# Altium PCB PCB_v2.PcbDoc (part 3 of 8)
Units mil, origin at the board's own origin, x right, y up, seen from the top; angles counter-clockwise.
Board outline 17000 x 5250 mil, 4 copper layers (Top Side, Ground Layer, Power Layer, Bottom Side), stack 33.2 mil thick; 671 components, 580 nets, 2819 pads, 990 vias.
Unrouted connection lines stored in the file: 104.
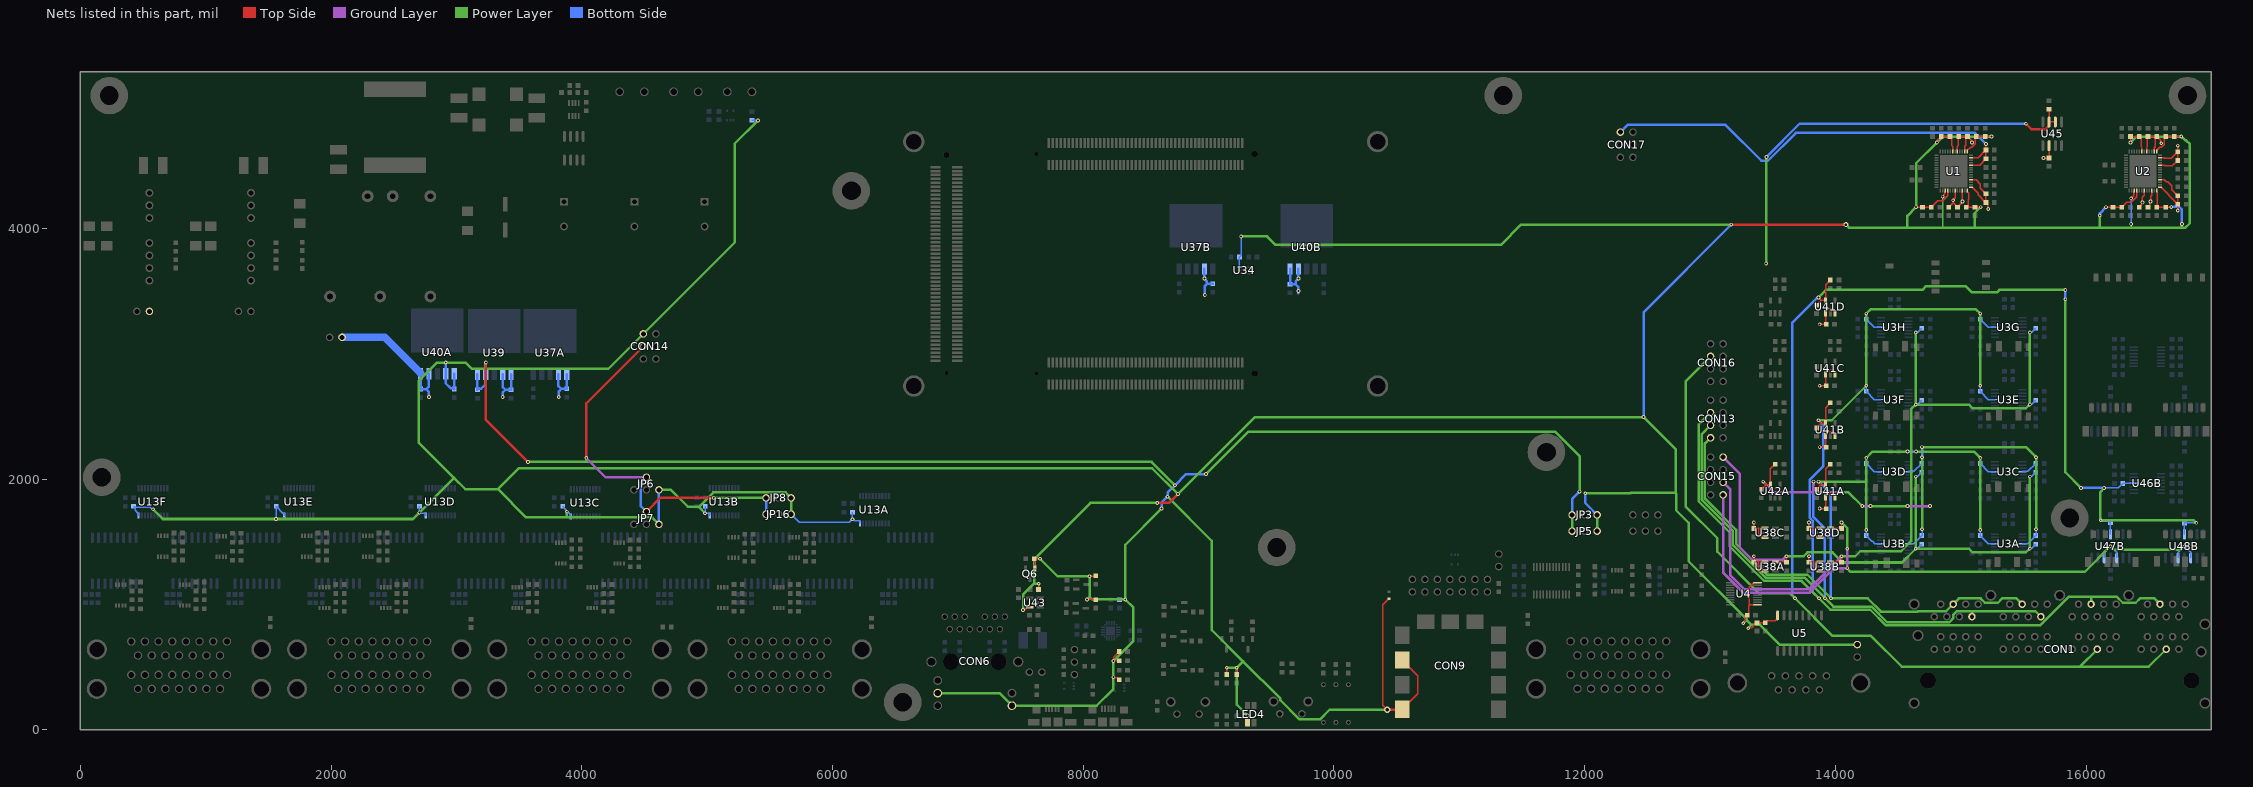
[diagram p5: the nets of this part, all layers, seen from the top]

## Part data (continued)
Q6 Q7 Q8: Case/Package=SOT-23, Continuous Drain Current (ID)=310mA, Drain to Source Breakdown Voltage=60V, Drain to Source Resistance=2R, Gate to Source Voltage (Vgs)=20V, Input Capacitance=22pF, Manufacturer=Diodes, Manufacturer Part Number=DMN65D8L-7, Max Operating Temperature=150°C, Max Power Dissipation=370mW, Min Operating Temperature=-55°C, Package Quantity=1, Power Dissipation=540mW, Supplier Part Number 1=DMN65D8L-7DITR-ND, Threshold Voltage=2V, ComponentLink1Description=https://datasheet.ciiva.com/6371/dmn65d8l-6371124.pdf, ComponentLink1URL=https://datasheet.ciiva.com/6371/dmn65d8l-6371124.pdf, ComponentLink2Description=https://datasheet.ciiva.com/6371/dmn65d8l-6371126.pdf, ComponentLink2URL=https://datasheet.ciiva.com/6371/dmn65d8l-6371126.pdf, ComponentLink3Description=https://datasheet.ciiva.com/13058/dmn65d8l-219098-13058455.pdf, ComponentLink3URL=https://datasheet.ciiva.com/13058/dmn65d8l-219098-13058455.pdf, ComponentLink4Description=https://datasheet.ciiva.com/6371/dmn65d8l-6371128.pdf, ComponentLink4URL=https://datasheet.ciiva.com/6371/dmn65d8l-6371128.pdf, Drain to Source Voltage (Vdss)=60V, Element Configuration=Single, FET Type="1 N-Channel", Height=1.1mm, Lead Free="Lead Free", Length=3mm, Mount="Surface Mount", Number of Channels=1, Number of Elements=1, Number of Pins=3, Packaging="Tape and Reel", Pricing 2="1=0.2, 10=0.179, 100=0.1173, 500=0.05732, 1000=0.03909 (USD)", Rds On Max=3R, REACH SVHC="No SVHC", Rise Time=2.8ns, Stock 2=373275, Supplier 1=Digi-Key, Supplier 2=Digi-Key, Supplier Part Number 2=DMN65D8L-7DIDKR-ND, Turn-Off Delay Time=12.6ns, Turn-On Delay Time=2.7ns, Weight=0.000282oz, Width=1.4mm
Q9: library part "IC - Si4946", "MOSFET Dual N-Channel 60V SO-8 Dual", Manufacturer=Vishay, Manufacturer Part Number=SI4946CDY-T1-GE3, Supplier Part Number 1=SI4946CDY-T1-GE3DKR-ND, Pricing 1="1=1.01, 10=0.892, 100=0.7052, 500=0.54688, 1000=0.43175 (USD)", Supplier 1=Digi-Key
R2 R30: Case/Package=0603, Case Code (Metric)=1608, Manufacturer="Stackpole Electronics", Manufacturer Part Number=RMCF0603FT49K9, Max Operating Temperature=155°C, Max Power Dissipation=100mW, Min Operating Temperature=-55°C, Resistance=49.9k, Supplier Part Number 1=RMCF0603FT49K9DKR-ND, Temperature Coefficient=100ppm/°C, Tolerance=1%, Case Code (Imperial)=0603, ComponentLink1Description=https://datasheet.ciiva.com/43460/426256-43460597.pdf, ComponentLink1URL=https://datasheet.ciiva.com/43460/426256-43460597.pdf, ComponentLink2Description=https://datasheet.ciiva.com/46377/426256-46377973.pdf, ComponentLink2URL=https://datasheet.ciiva.com/46377/426256-46377973.pdf, ComponentLink3Description=https://datasheet.ciiva.com/16440/aoa0000ce2-16440183.pdf, ComponentLink3URL=https://datasheet.ciiva.com/16440/aoa0000ce2-16440183.pdf, ComponentLink4Description=https://datasheet.ciiva.com/17209/aoa0000ce2-17209495.pdf, ComponentLink4URL=https://datasheet.ciiva.com/17209/aoa0000ce2-17209495.pdf, ComponentLink5Description=https://datasheet.ciiva.com/6064/426256-6064568.pdf, ComponentLink5URL=https://datasheet.ciiva.com/6064/426256-6064568.pdf, ComponentLink6Description=https://datasheet.ciiva.com/48531/aoa0000ce2-48531016.pdf, ComponentLink6URL=https://datasheet.ciiva.com/48531/aoa0000ce2-48531016.pdf, ComponentLink7Description=https://datasheet.ciiva.com/28694/1678782-28694218.pdf, ComponentLink7URL=https://datasheet.ciiva.com/28694/1678782-28694218.pdf, ComponentLink8Description=https://datasheet.ciiva.com/15159/getdatasheetpartid-52039-15159595.pdf, ComponentLink8URL=https://datasheet.ciiva.com/15159/getdatasheetpartid-52039-15159595.pdf, ComponentLink9Description=https://datasheet.ciiva.com/27055/1988209-27055691.pdf, ComponentLink9URL=https://datasheet.ciiva.com/27055/1988209-27055691.pdf, ComponentLink10Description=https://datasheet.ciiva.com/30147/aoa0000ce2-30147900.pdf, ComponentLink10URL=https://datasheet.ciiva.com/30147/aoa0000ce2-30147900.pdf, ComponentLink11Description=https://datasheet.ciiva.com/15193/getdatasheetpartid-363153-15193484.pdf, ComponentLink11URL=https://datasheet.ciiva.com/15193/getdatasheetpartid-363153-15193484.pdf, Composition="Thick Film", Contact Plating=Tin,Matte, Depth=0.8mm, Features="Automotive AEC-Q200", Height=0.022inch, Lead Free="Lead Free", Length=1.55mm, Military Standard=Not, Mount="Surface Mount", Number of Terminations=2, Packaging="Tape and Reel", Power Rating=100mW, Pricing 1="1=0.1, 10=0.017, 100=0.0069, 1000=0.00309, 2500=0.00268 (USD)", Radiation Hardening=No, Stock 1=149606, Supplier 1=Digi-Key, Width=0.031inch
R2A R2B R2C R2D R2E R2F R2G R2H R8A R8B R8C R8D R8E R8F R8G R8H: Case/Package=0603, Case Code (Metric)=1608, Manufacturer=Panasonic, Manufacturer Part Number=ERJ-3EKF1602V, Max Operating Temperature=155°C, Max Power Dissipation=100mW, Min Operating Temperature=-55°C, Package Quantity=1, Resistance=16k, Supplier Part Number 1=P16.0KHDKR-ND, Temperature Coefficient=100ppm/°C, Tolerance=1%, Voltage Rating=75V, Case Code (Imperial)=0603, ComponentLink1Description=https://datasheet.ciiva.com/28680/1678782-28680759.pdf, ComponentLink1URL=https://datasheet.ciiva.com/28680/1678782-28680759.pdf, ComponentLink2Description=https://datasheet.ciiva.com/16779/70260748-16779769.pdf, ComponentLink2URL=https://datasheet.ciiva.com/16779/70260748-16779769.pdf, ComponentLink3Description=https://datasheet.ciiva.com/30226/aoa0000ce2-30226189.pdf, ComponentLink3URL=https://datasheet.ciiva.com/30226/aoa0000ce2-30226189.pdf, ComponentLink4Description=https://datasheet.ciiva.com/5875/426256-5875646.pdf, ComponentLink4URL=https://datasheet.ciiva.com/5875/426256-5875646.pdf, ComponentLink5Description=https://datasheet.ciiva.com/28515/1678782-28515247.pdf, ComponentLink5URL=https://datasheet.ciiva.com/28515/1678782-28515247.pdf, ComponentLink6Description=https://datasheet.ciiva.com/46378/426256-46378047.pdf, ComponentLink6URL=https://datasheet.ciiva.com/46378/426256-46378047.pdf, Composition="Thick Film", Contact Plating=Tin, Depth=0.8mm, Features="Automotive AEC-Q200", Height=0.022inch, Lead Free="Lead Free", Length=1.6mm, Military Standard=Not, Mount="Surface Mount", Number of Terminations=2, Packaging="Tape and Reel", Power Rating=100mW, Pricing 1="1=0.1, 10=0.079, 100=0.0323, 1000=0.01449, 2500=0.01258 (USD)", Radiation Hardening=No, REACH SVHC=Unknown, Stock 1=80279, Supplier 1=Digi-Key, Termination=SMD/SMT, Voltage Rating (DC)=75V, Width=0.8mm
R3: Case/Package=0603, Case Code (Metric)=1608, Manufacturer=Yageo, Manufacturer Part Number=RC0603FR-0723K7L, Max Operating Temperature=155°C, Max Power Dissipation=100mW, Min Operating Temperature=-55°C, Package Quantity=1, Resistance=23.7k, Supplier Part Number 1=311-23.7KHRDKR-ND, Temperature Coefficient=100ppm/°C, Tolerance=1%, Voltage Rating=75V, Voltage Rating (DC)=50V, Case Code (Imperial)=0603, ComponentLink1Description=https://datasheet.ciiva.com/46389/426256-46389029.pdf, ComponentLink1URL=https://datasheet.ciiva.com/46389/426256-46389029.pdf, ComponentLink2Description=https://datasheet.ciiva.com/5987/426256-5987560.pdf, ComponentLink2URL=https://datasheet.ciiva.com/5987/426256-5987560.pdf, ComponentLink3Description=https://datasheet.ciiva.com/46377/426256-46377336.pdf, ComponentLink3URL=https://datasheet.ciiva.com/46377/426256-46377336.pdf, ComponentLink4Description=https://datasheet.ciiva.com/24124/aoa0000ce2-24124360.pdf, ComponentLink4URL=https://datasheet.ciiva.com/24124/aoa0000ce2-24124360.pdf, ComponentLink5Description=https://datasheet.ciiva.com/16774/70260748-16774313.pdf, ComponentLink5URL=https://datasheet.ciiva.com/16774/70260748-16774313.pdf, ComponentLink6Description=https://datasheet.ciiva.com/43460/426256-43460570.pdf, ComponentLink6URL=https://datasheet.ciiva.com/43460/426256-43460570.pdf, ComponentLink7Description=https://datasheet.ciiva.com/9191/aoa0000ce2-9191578.pdf, ComponentLink7URL=https://datasheet.ciiva.com/9191/aoa0000ce2-9191578.pdf, ComponentLink8Description=https://datasheet.ciiva.com/28536/1678782-28536188.pdf, ComponentLink8URL=https://datasheet.ciiva.com/28536/1678782-28536188.pdf, ComponentLink9Description=https://datasheet.ciiva.com/16760/70260748-16760300.pdf, ComponentLink9URL=https://datasheet.ciiva.com/16760/70260748-16760300.pdf, ComponentLink10Description=https://datasheet.ciiva.com/30061/aoa0000ce2-30061340.pdf, ComponentLink10URL=https://datasheet.ciiva.com/30061/aoa0000ce2-30061340.pdf, ComponentLink11Description=https://datasheet.ciiva.com/17210/aoa0000ce2-17210815.pdf, ComponentLink11URL=https://datasheet.ciiva.com/17210/aoa0000ce2-17210815.pdf, ComponentLink12Description=https://datasheet.ciiva.com/11819/0900766b80f96399-11819281.pdf, ComponentLink12URL=https://datasheet.ciiva.com/11819/0900766b80f96399-11819281.pdf, ComponentLink13Description=https://datasheet.ciiva.com/2454/pyu-r-int-thick-7-2454264.pdf, ComponentLink13URL=https://datasheet.ciiva.com/2454/pyu-r-int-thick-7-2454264.pdf, ComponentLink14Description=https://datasheet.ciiva.com/2454/pyu-r-int-thick-7-2454265.pdf, ComponentLink14URL=https://datasheet.ciiva.com/2454/pyu-r-int-thick-7-2454265.pdf, ComponentLink15Description=https://datasheet.ciiva.com/2454/pyu-r-int-thick-7-2454266.pdf, ComponentLink15URL=https://datasheet.ciiva.com/2454/pyu-r-int-thick-7-2454266.pdf, Composition="Thick Film", Depth=0.8mm, Features="Moisture Resistant", Height=0.45mm, Lead Free="Lead Free", Length=1.6mm, Military Standard=Not, Mount="Surface Mount", Number of Terminations=2, Packaging="Tape and Reel", Power Rating=100mW, Pricing 1="1=0.1, 10=0.024, 100=0.0097, 1000=0.00436, 2500=0.00378 (USD)", Stock 1=91, Supplier 1=Digi-Key, Termination=SMD/SMT, Weight=7.1E-05oz, Width=0.031inch
R3A R3B R3C R3D R3E R3F R3G R3H R4A R4B R4C R4D R4E R4F R4G R4H R7A R7B R7C R7D R7E R7F R7G R7H R9A R9B R9C R9D R9E R9F R9G R9H: Case/Package=0603, Case Code (Metric)=1608, Manufacturer=Panasonic, Manufacturer Part Number=ERJ-3EKF1001V, Max Operating Temperature=155°C, Max Power Dissipation=100mW, Min Operating Temperature=-55°C, Package Quantity=1, Resistance=1k, Supplier Part Number 1=P1.00KHDKR-ND, Temperature Coefficient=100ppm/°C, Tolerance=1%, Voltage Rating=75V, Case Code (Imperial)=0603, ComponentLink1Description=https://datasheet.ciiva.com/16768/70260748-16768437.pdf, ComponentLink1URL=https://datasheet.ciiva.com/16768/70260748-16768437.pdf, ComponentLink2Description=https://datasheet.ciiva.com/16774/70260748-16774550.pdf, ComponentLink2URL=https://datasheet.ciiva.com/16774/70260748-16774550.pdf, ComponentLink3Description=https://datasheet.ciiva.com/28532/426256-28532120.pdf, ComponentLink3URL=https://datasheet.ciiva.com/28532/426256-28532120.pdf, ComponentLink4Description=https://datasheet.ciiva.com/16449/aoa0000ce2-16449065.pdf, ComponentLink4URL=https://datasheet.ciiva.com/16449/aoa0000ce2-16449065.pdf, ComponentLink5Description=https://datasheet.ciiva.com/7942/aoa0000ce2-7942427.pdf, ComponentLink5URL=https://datasheet.ciiva.com/7942/aoa0000ce2-7942427.pdf, ComponentLink6Description=https://datasheet.ciiva.com/9198/aoa0000ce2-9198923.pdf, ComponentLink6URL=https://datasheet.ciiva.com/9198/aoa0000ce2-9198923.pdf, ComponentLink7Description=https://datasheet.ciiva.com/46373/1678782-46373339.pdf, ComponentLink7URL=https://datasheet.ciiva.com/46373/1678782-46373339.pdf, ComponentLink8Description=https://datasheet.ciiva.com/48530/aoa0000ce2-48530987.pdf, ComponentLink8URL=https://datasheet.ciiva.com/48530/aoa0000ce2-48530987.pdf, ComponentLink9Description=https://datasheet.ciiva.com/46373/1678782-46373340.pdf, ComponentLink9URL=https://datasheet.ciiva.com/46373/1678782-46373340.pdf, ComponentLink10Description=https://datasheet.ciiva.com/24070/aoa0000ce2-24070269.pdf, ComponentLink10URL=https://datasheet.ciiva.com/24070/aoa0000ce2-24070269.pdf, ComponentLink11Description=https://datasheet.ciiva.com/22673/1678782-22673918.pdf, ComponentLink11URL=https://datasheet.ciiva.com/22673/1678782-22673918.pdf, ComponentLink12Description=https://datasheet.ciiva.com/30063/aoa0000ce2-30063390.pdf, ComponentLink12URL=https://datasheet.ciiva.com/30063/aoa0000ce2-30063390.pdf, ComponentLink13Description=https://datasheet.ciiva.com/17215/aoa0000ce2-17215311.pdf, ComponentLink13URL=https://datasheet.ciiva.com/17215/aoa0000ce2-17215311.pdf, Composition="Thick Film", Contact Plating=Tin, Depth=0.8mm, Features="Automotive AEC-Q200", Height=0.45mm, Lead Free="Lead Free", Length=1.6mm, Military Standard=Not, Mount="Surface Mount", Number of Pins=2, Number of Terminations=2, Packaging="Tape and Reel", Power Rating=100mW, Pricing 1="1=0.1, 10=0.079, 100=0.0323, 1000=0.01449, 2500=0.01258 (USD)", Radiation Hardening=No, REACH SVHC="No SVHC", Stock 1=16711563, Supplier 1=Digi-Key, Termination=SMD/SMT, Voltage Rating (DC)=75V, Width=0.031inch
R4 R6: library part Res1, "Resistor", Case/Package=0603, Case Code (Metric)=1608, Manufacturer="Stackpole Electronics", Manufacturer Part Number=RMCF0603FT60K4, Max Operating Temperature=155°C, Max Power Dissipation=100mW, Min Operating Temperature=-55°C, Resistance=60.4k, Supplier Part Number 1=RMCF0603FT60K4CT-ND, Temperature Coefficient=100ppm/°C, Tolerance=1%, Case Code (Imperial)=0603, ComponentLink1Description=https://www.verical.com/server-webapp/html/getDatasheet?partID=493745, ComponentLink1URL=https://www.verical.com/server-webapp/html/getDatasheet?partID=493745, ComponentLink2Description=http://components.arrow.com/part/dataview/47797003S7054871N1174, ComponentLink2URL=http://components.arrow.com/part/dataview/47797003S7054871N1174, ComponentLink3Description=https://www.seielect.com/catalog/SEI-RMCF_RMCP.pdf, ComponentLink3URL=https://www.seielect.com/catalog/SEI-RMCF_RMCP.pdf, Composition="Thick Film", Contact Plating=Tin,Matte, Depth=0.8mm, Height=0.022inch, Length=1.55mm, Military Standard=Not, Mount="Surface Mount", Number of Terminations=2, Packaging="Tape and Reel", Pricing 1="1=0.1, 10=0.017, 100=0.0069, 1000=0.00309, 2500=0.00268 (USD)", Radiation Hardening=No, Stock 1=95491, Supplier 1=Digi-Key, Width=0.031inch
R5: library part Res1, "Resistor", Case/Package=0603, Manufacturer="Stackpole Electronics", Manufacturer Part Number=RMCF0603FT3M92, Max Operating Temperature=155°C, Max Power Dissipation=100mW, Min Operating Temperature=-55°C, Package Quantity=5000, Resistance=3.92M, Supplier Part Number 1=RMCF0603FT3M92CT-ND, Temperature Coefficient=200ppm/°C, Tolerance=1%, ComponentLink1Description=https://www.seielect.com/Catalog/SEI-RMCF_RMCP.pdf, ComponentLink1URL=https://www.seielect.com/Catalog/SEI-RMCF_RMCP.pdf, Composition="Thick Film", Contact Plating=Tin,Matte, Height=0.022inch, Length=0.061inch, Mount="Surface Mount", Number of Terminations=2, Packaging="Tape and Reel", Pricing 1="1=0.1, 10=0.018, 100=0.0073, 1000=0.00329, 2500=0.00286 (USD)", Radiation Hardening=No, Stock 1=7775, Supplier 1=Digi-Key, Width=0.031inch
R5A R5B R5C R5D R5E R5F R5G R5H R57A R57B R58A R58B R59A R59B R60A R60B: Case/Package=0603, Case Code (Metric)=1608, Manufacturer=Yageo, Manufacturer Part Number=AC0603FR-07100RL, Max Operating Temperature=155°C, Max Power Dissipation=100mW, Min Operating Temperature=-55°C, Resistance=100, Supplier Part Number 1=YAG3561DKR-ND, Temperature Coefficient=100ppm/°C, Tolerance=1%, Voltage Rating=50V, Case Code (Imperial)=0603, ComponentLink1Description=https://datasheet.ciiva.com/12576/pyu-ac-51-rohs-l-2-12576586.pdf, ComponentLink1URL=https://datasheet.ciiva.com/12576/pyu-ac-51-rohs-l-2-12576586.pdf, Composition="Thick Film", Contact Plating=Tin,Matte, Depth=0.8mm, Height=0.022inch, Lead Free="Lead Free", Length=1.6mm, Military Standard=Not, Number of Terminations=2, Packaging="Tape and Reel", Power Rating=100mW, Pricing 1="1=0.1, 10=0.032, 100=0.0129, 1000=0.00579, 2500=0.00502 (USD)", Radiation Hardening=No, Stock 1=161909, Supplier 1=Digi-Key, Termination=SMD/SMT, Weight=7.1E-05oz, Width=0.031inch
R6A R6B R6C R6D R6E R6F R6G R6H: Case/Package=0603, Case Code (Metric)=1608, Manufacturer=Samsung, Manufacturer Part Number=RC1608F202CS, Max Operating Temperature=155°C, Max Power Dissipation=100mW, Min Operating Temperature=-55°C, Resistance=2k, Supplier Part Number 1=1276-3495-6-ND, Temperature Coefficient=100ppm/°C, Tolerance=1%, Voltage Rating (DC)=50V, Case Code (Imperial)=0603, ComponentLink1Description=https://datasheet.ciiva.com/26179/chip-resistor-150112-1-26179660.pdf, ComponentLink1URL=https://datasheet.ciiva.com/26179/chip-resistor-150112-1-26179660.pdf, ComponentLink2Description=https://datasheet.ciiva.com/26179/chip-resistor-150112-1-26179645.pdf, ComponentLink2URL=https://datasheet.ciiva.com/26179/chip-resistor-150112-1-26179645.pdf, ComponentLink3Description=https://datasheet.ciiva.com/26179/chip-resistor-150112-1-26179677.pdf, ComponentLink3URL=https://datasheet.ciiva.com/26179/chip-resistor-150112-1-26179677.pdf, Composition="Thick Film", Contact Plating=Tin, Depth=0.8mm, Height=0.022inch, Lead Free="Lead Free", Length=0.063inch, Military Standard=Not, Number of Terminations=2, Packaging="Tape and Reel", Pricing 1="1=0.1, 10=0.033, 100=0.0136, 1000=0.00609, 2500=0.00529 (USD)", Radiation Hardening=No, Stock 1=137995, Supplier 1=Digi-Key, Width=0.031inch
R7: library part Res1, "Resistor", Case/Package=0603, Case Code (Metric)=1608, Manufacturer="Stackpole Electronics", Manufacturer Part Number=RMCF0603FT40K2, Max Operating Temperature=155°C, Max Power Dissipation=100mW, Min Operating Temperature=-55°C, Resistance=40.2k, Supplier Part Number 1=RMCF0603FT40K2CT-ND, Temperature Coefficient=100ppm/°C, Tolerance=1%, Case Code (Imperial)=0603, ComponentLink1Description=http://components.arrow.com/part/dataview/47804758S9848883N1174, ComponentLink1URL=http://components.arrow.com/part/dataview/47804758S9848883N1174, ComponentLink2Description=https://www.seielect.com/catalog/SEI-RMCF_RMCP.pdf, ComponentLink2URL=https://www.seielect.com/catalog/SEI-RMCF_RMCP.pdf, ComponentLink3Description=http://www.seielect.com/Catalog/SEI-RMC.pdf, ComponentLink3URL=http://www.seielect.com/Catalog/SEI-RMC.pdf, ComponentLink4Description=https://www.seielect.com/catalog/SEI-Packaging.pdf, ComponentLink4URL=https://www.seielect.com/catalog/SEI-Packaging.pdf, Composition="Thick Film", Contact Plating=Tin,Matte, Height=0.022inch, Lead Free="Lead Free", Length=0.061inch, Mount="Surface Mount", Number of Terminations=2, Packaging="Tape and Reel", Power Rating=100mW, Pricing 1="1=0.1, 10=0.017, 100=0.0069, 1000=0.00309, 2500=0.00268 (USD)", Radiation Hardening=No, Stock 1=147242, Supplier 1=Digi-Key, Width=0.031inch
R10 R11 R14 R15 R16: Case/Package=0603, Case Code (Metric)=1608, Manufacturer=Panasonic, Manufacturer Part Number=ERJ-3EKF2400V, Max Operating Temperature=155°C, Max Power Dissipation=100mW, Min Operating Temperature=-55°C, Package Quantity=1, Resistance=240R, Supplier Part Number 1=P240HDKR-ND, Temperature Coefficient=100ppm/°C, Tolerance=1%, Voltage Rating=75V, Case Code (Imperial)=0603, ComponentLink1Description=https://datasheet.ciiva.com/16759/70260748-16759367.pdf, ComponentLink1URL=https://datasheet.ciiva.com/16759/70260748-16759367.pdf, ComponentLink2Description=https://datasheet.ciiva.com/9183/aoa0000ce2-9183994.pdf, ComponentLink2URL=https://datasheet.ciiva.com/9183/aoa0000ce2-9183994.pdf, ComponentLink3Description=https://datasheet.ciiva.com/16778/70260748-16778490.pdf, ComponentLink3URL=https://datasheet.ciiva.com/16778/70260748-16778490.pdf, ComponentLink4Description=https://datasheet.ciiva.com/9116/aoa0000ce2-9116891.pdf, ComponentLink4URL=https://datasheet.ciiva.com/9116/aoa0000ce2-9116891.pdf, ComponentLink5Description=https://datasheet.ciiva.com/43460/426256-43460443.pdf, ComponentLink5URL=https://datasheet.ciiva.com/43460/426256-43460443.pdf, ComponentLink6Description=https://datasheet.ciiva.com/46378/426256-46378046.pdf, ComponentLink6URL=https://datasheet.ciiva.com/46378/426256-46378046.pdf, ComponentLink7Description=https://datasheet.ciiva.com/5915/426256-5915295.pdf, ComponentLink7URL=https://datasheet.ciiva.com/5915/426256-5915295.pdf, Composition="Thick Film", Contact Plating=Tin, Depth=0.8mm, Features="Automotive AEC-Q200", Height=0.022inch, Length=1.6mm, Military Standard=Not, Mount="Surface Mount", Number of Terminations=2, Packaging="Tape and Reel", Power Rating=100mW, Pricing 1="1=0.1, 10=0.079, 100=0.0323, 1000=0.01449, 2500=0.01258 (USD)", Radiation Hardening=No, REACH SVHC="No SVHC", Stock 1=387596, Supplier 1=Digi-Key, Termination=SMD/SMT, Voltage Rating (DC)=75V, Weight=7.1E-05oz, Width=0.8mm
R12: Case/Package=0603, Case Code (Metric)=1608, Manufacturer=Yageo, Manufacturer Part Number=AC0603FR-07750RL, Max Operating Temperature=155°C, Max Power Dissipation=100mW, Min Operating Temperature=-55°C, Resistance=750, Supplier Part Number 1=YAG3628DKR-ND, Temperature Coefficient=100ppm/°C, Tolerance=1%, Voltage Rating=50V, Case Code (Imperial)=0603, ComponentLink1Description=https://datasheet.ciiva.com/16514/aoa0000ce2-16514166.pdf, ComponentLink1URL=https://datasheet.ciiva.com/16514/aoa0000ce2-16514166.pdf, ComponentLink2Description=https://datasheet.ciiva.com/16779/70260748-16779334.pdf, ComponentLink2URL=https://datasheet.ciiva.com/16779/70260748-16779334.pdf, ComponentLink3Description=https://datasheet.ciiva.com/27055/1988381-27055702.pdf, ComponentLink3URL=https://datasheet.ciiva.com/27055/1988381-27055702.pdf, ComponentLink4Description=https://datasheet.ciiva.com/16765/70260748-16765239.pdf, ComponentLink4URL=https://datasheet.ciiva.com/16765/70260748-16765239.pdf, ComponentLink5Description=https://datasheet.ciiva.com/46374/426256-46374007.pdf, ComponentLink5URL=https://datasheet.ciiva.com/46374/426256-46374007.pdf, ComponentLink6Description=https://datasheet.ciiva.com/46386/426256-46386762.pdf, ComponentLink6URL=https://datasheet.ciiva.com/46386/426256-46386762.pdf, ComponentLink7Description=https://datasheet.ciiva.com/30163/aoa0000ce2-30163966.pdf, ComponentLink7URL=https://datasheet.ciiva.com/30163/aoa0000ce2-30163966.pdf, ComponentLink8Description=https://datasheet.ciiva.com/5868/426256-5868143.pdf, ComponentLink8URL=https://datasheet.ciiva.com/5868/426256-5868143.pdf, ComponentLink9Description=https://datasheet.ciiva.com/24026/aoa0000ce2-24026079.pdf, ComponentLink9URL=https://datasheet.ciiva.com/24026/aoa0000ce2-24026079.pdf, ComponentLink10Description=http://www.mouser.com/ds/2/447/yageodocoutput-1111992.pdf, ComponentLink10URL=http://www.mouser.com/ds/2/447/yageodocoutput-1111992.pdf, ComponentLink11Description=http://www.yageo.com/NewPortal/yageodocoutput?fileName=/pdf/R-Chip/PYu-AC_51_RoHS_L_6.pdf, ComponentLink11URL=http://www.yageo.com/NewPortal/yageodocoutput?fileName=/pdf/R-Chip/PYu-AC_51_RoHS_L_6.pdf, Composition="Thick Film", Height=0.022inch, Length=0.063inch, Number of Terminations=2, Packaging="Tape and Reel", Power Rating=100mW, Pricing 1="1=0.1, 10=0.032, 100=0.0129, 1000=0.00579, 2500=0.00502 (USD)", Stock 1=36277, Supplier 1=Digi-Key, Termination=SMD/SMT, Width=0.8mm
R17 R18 R20 R21 R22: Case/Package=0603, Case Code (Metric)=1608, Manufacturer=Panasonic, Manufacturer Part Number=ERJ-3EKF1002V, Max Operating Temperature=155°C, Max Power Dissipation=100mW, Min Operating Temperature=-55°C, Package Quantity=1, Resistance=10kR, Supplier Part Number 1=P10.0KHCT-ND, Temperature Coefficient=100ppm/°C, Tolerance=1%, Voltage Rating=75V, Case Code (Imperial)=0603, ComponentLink1Description=https://datasheet.ciiva.com/16511/aoa0000ce2-16511861.pdf, ComponentLink1URL=https://datasheet.ciiva.com/16511/aoa0000ce2-16511861.pdf, ComponentLink2Description=https://datasheet.ciiva.com/46372/1678782-46372725.pdf, ComponentLink2URL=https://datasheet.ciiva.com/46372/1678782-46372725.pdf, ComponentLink3Description=https://datasheet.ciiva.com/28514/426256-28514198.pdf, ComponentLink3URL=https://datasheet.ciiva.com/28514/426256-28514198.pdf, ComponentLink4Description=https://datasheet.ciiva.com/9194/aoa0000ce2-9194199.pdf, ComponentLink4URL=https://datasheet.ciiva.com/9194/aoa0000ce2-9194199.pdf, ComponentLink5Description=https://datasheet.ciiva.com/7830/aoa0000ce2-7830729.pdf, ComponentLink5URL=https://datasheet.ciiva.com/7830/aoa0000ce2-7830729.pdf, ComponentLink6Description=https://datasheet.ciiva.com/17212/aoa0000ce2-17212105.pdf, ComponentLink6URL=https://datasheet.ciiva.com/17212/aoa0000ce2-17212105.pdf, ComponentLink7Description=https://datasheet.ciiva.com/30208/aoa0000ce2-30208985.pdf, ComponentLink7URL=https://datasheet.ciiva.com/30208/aoa0000ce2-30208985.pdf, ComponentLink8Description=https://datasheet.ciiva.com/48530/aoa0000ce2-48530988.pdf, ComponentLink8URL=https://datasheet.ciiva.com/48530/aoa0000ce2-48530988.pdf, ComponentLink9Description=https://datasheet.ciiva.com/24070/aoa0000ce2-24070318.pdf, ComponentLink9URL=https://datasheet.ciiva.com/24070/aoa0000ce2-24070318.pdf, ComponentLink10Description=https://datasheet.ciiva.com/16759/70260748-16759807.pdf, ComponentLink10URL=https://datasheet.ciiva.com/16759/70260748-16759807.pdf, Composition="Thick Film", Contact Plating=Tin, Depth=0.8mm, Features="Automotive AEC-Q200", Height=0.45mm, Lead Free="Lead Free", Length=1.6mm, Military Standard=Not, Mount="Surface Mount", Number of Pins=2, Number of Terminations=2, Packaging="Tape and Reel", Power Rating=100mW, Pricing 1="1=0.1, 10=0.079, 100=0.0323, 1000=0.01449, 2500=0.01258 (USD)", Radiation Hardening=No, REACH SVHC="No SVHC", Stock 1=8680, Supplier 1=Digi-Key, Termination=SMD/SMT, Voltage Rating (DC)=75V, Width=0.031inch
R19 R27 R28 R29 R31 R32 R52: Case/Package=0603, Case Code (Metric)=1608, Manufacturer=Yageo, Manufacturer Part Number=AC0603FR-07100RL, Max Operating Temperature=155°C, Max Power Dissipation=100mW, Min Operating Temperature=-55°C, Resistance=100R, Supplier Part Number 1=YAG3561DKR-ND, Temperature Coefficient=100ppm/°C, Tolerance=1%, Voltage Rating=50V, Case Code (Imperial)=0603, ComponentLink1Description=https://datasheet.ciiva.com/12576/pyu-ac-51-rohs-l-2-12576586.pdf, ComponentLink1URL=https://datasheet.ciiva.com/12576/pyu-ac-51-rohs-l-2-12576586.pdf, Composition="Thick Film", Contact Plating=Tin,Matte, Depth=0.8mm, Height=0.022inch, Lead Free="Lead Free", Length=1.6mm, Military Standard=Not, Number of Terminations=2, Packaging="Tape and Reel", Power Rating=100mW, Pricing 1="1=0.1, 10=0.032, 100=0.0129, 1000=0.00579, 2500=0.00502 (USD)", Radiation Hardening=No, Stock 1=161909, Supplier 1=Digi-Key, Termination=SMD/SMT, Weight=7.1E-05oz, Width=0.031inch
R23 R24 R25 R46 R53: Case/Package=0603, Case Code (Metric)=1608, Manufacturer=Panasonic, Manufacturer Part Number=ERJ-3GEY0R00V, Max Operating Temperature=155°C, Max Power Dissipation=100mW, Min Operating Temperature=-55°C, Package Quantity=1, Resistance=0mR, Supplier Part Number 1=P0.0GDKR-ND, Temperature Coefficient=600ppm/°C, Tolerance=0%, Voltage Rating=75V, Voltage Rating (DC)=50V, Case Code (Imperial)=0603, ComponentLink1Description=https://datasheet.ciiva.com/48532/aoa0000ce1-48532165.pdf, ComponentLink1URL=https://datasheet.ciiva.com/48532/aoa0000ce1-48532165.pdf, ComponentLink2Description=https://datasheet.ciiva.com/43460/1678796-43460647.pdf, ComponentLink2URL=https://datasheet.ciiva.com/43460/1678796-43460647.pdf, ComponentLink3Description=https://datasheet.ciiva.com/27055/1935748-27055113.pdf, ComponentLink3URL=https://datasheet.ciiva.com/27055/1935748-27055113.pdf, ComponentLink4Description=https://datasheet.ciiva.com/28695/1678796-28695833.pdf, ComponentLink4URL=https://datasheet.ciiva.com/28695/1678796-28695833.pdf, ComponentLink5Description=https://datasheet.ciiva.com/5959/1678796-5959707.pdf, ComponentLink5URL=https://datasheet.ciiva.com/5959/1678796-5959707.pdf, ComponentLink6Description=https://datasheet.ciiva.com/16834/aoa0000ce1-16834828.pdf, ComponentLink6URL=https://datasheet.ciiva.com/16834/aoa0000ce1-16834828.pdf, ComponentLink7Description=https://datasheet.ciiva.com/17215/aoa0000ce1-17215388.pdf, ComponentLink7URL=https://datasheet.ciiva.com/17215/aoa0000ce1-17215388.pdf, ComponentLink8Description=https://datasheet.ciiva.com/46377/1678796-46377868.pdf, ComponentLink8URL=https://datasheet.ciiva.com/46377/1678796-46377868.pdf, ComponentLink9Description=https://datasheet.ciiva.com/30199/4aoa0000ce1-30199822.pdf, ComponentLink9URL=https://datasheet.ciiva.com/30199/4aoa0000ce1-30199822.pdf, ComponentLink10Description=https://datasheet.ciiva.com/9198/aoa0000ce1-9198975.pdf, ComponentLink10URL=https://datasheet.ciiva.com/9198/aoa0000ce1-9198975.pdf, ComponentLink11Description=https://datasheet.ciiva.com/11808/0900766b80f806dd-11808207.pdf, ComponentLink11URL=https://datasheet.ciiva.com/11808/0900766b80f806dd-11808207.pdf, ComponentLink12Description=https://datasheet.ciiva.com/16758/70255313-16758527.pdf, ComponentLink12URL=https://datasheet.ciiva.com/16758/70255313-16758527.pdf, Composition="Thick Film", Contact Plating=Tin, Depth=0.8mm, Features="Automotive AEC-Q200", Height=0.45mm, Lead Free="Lead Free", Length=1.6mm, Military Standard=Not, Mount="Surface Mount", Number of Terminations=2, Packaging="Tape and Reel", Power Rating=100mW, Pricing 1="1=0.1, 10=0.053, 25=0.038, 50=0.029, 100=0.0214, 250=0.01632, 500=0.01306, 1000=0.00962 (USD)", Radiation Hardening=No, REACH SVHC="No SVHC", Supplier 1=Digi-Key, Termination=SMD/SMT, Width=0.031inch
  R23 R24 R25: Stock 1=22586620
  R46 R53: Stock 1=22482513
R26A R26B R26C R26D: Case/Package=0603, Case Code (Metric)=1608, Manufacturer=Panasonic, Manufacturer Part Number=ERJ-3GEY0R00V, Max Operating Temperature=155°C, Max Power Dissipation=100mW, Min Operating Temperature=-55°C, Package Quantity=1, Resistance=0R, Supplier Part Number 1=P0.0GDKR-ND, Temperature Coefficient=600ppm/°C, Tolerance=0%, Voltage Rating=75V, Voltage Rating (DC)=50V, Case Code (Imperial)=0603, ComponentLink1Description=https://datasheet.ciiva.com/48532/aoa0000ce1-48532165.pdf, ComponentLink1URL=https://datasheet.ciiva.com/48532/aoa0000ce1-48532165.pdf, ComponentLink2Description=https://datasheet.ciiva.com/43460/1678796-43460647.pdf, ComponentLink2URL=https://datasheet.ciiva.com/43460/1678796-43460647.pdf, ComponentLink3Description=https://datasheet.ciiva.com/27055/1935748-27055113.pdf, ComponentLink3URL=https://datasheet.ciiva.com/27055/1935748-27055113.pdf, ComponentLink4Description=https://datasheet.ciiva.com/28695/1678796-28695833.pdf, ComponentLink4URL=https://datasheet.ciiva.com/28695/1678796-28695833.pdf, ComponentLink5Description=https://datasheet.ciiva.com/5959/1678796-5959707.pdf, ComponentLink5URL=https://datasheet.ciiva.com/5959/1678796-5959707.pdf, ComponentLink6Description=https://datasheet.ciiva.com/16834/aoa0000ce1-16834828.pdf, ComponentLink6URL=https://datasheet.ciiva.com/16834/aoa0000ce1-16834828.pdf, ComponentLink7Description=https://datasheet.ciiva.com/17215/aoa0000ce1-17215388.pdf, ComponentLink7URL=https://datasheet.ciiva.com/17215/aoa0000ce1-17215388.pdf, ComponentLink8Description=https://datasheet.ciiva.com/46377/1678796-46377868.pdf, ComponentLink8URL=https://datasheet.ciiva.com/46377/1678796-46377868.pdf, ComponentLink9Description=https://datasheet.ciiva.com/30199/4aoa0000ce1-30199822.pdf, ComponentLink9URL=https://datasheet.ciiva.com/30199/4aoa0000ce1-30199822.pdf, ComponentLink10Description=https://datasheet.ciiva.com/9198/aoa0000ce1-9198975.pdf, ComponentLink10URL=https://datasheet.ciiva.com/9198/aoa0000ce1-9198975.pdf, ComponentLink11Description=https://datasheet.ciiva.com/11808/0900766b80f806dd-11808207.pdf, ComponentLink11URL=https://datasheet.ciiva.com/11808/0900766b80f806dd-11808207.pdf, ComponentLink12Description=https://datasheet.ciiva.com/16758/70255313-16758527.pdf, ComponentLink12URL=https://datasheet.ciiva.com/16758/70255313-16758527.pdf, Composition="Thick Film", Contact Plating=Tin, Depth=0.8mm, Features="Automotive AEC-Q200", Height=0.45mm, Lead Free="Lead Free", Length=1.6mm, Military Standard=Not, Mount="Surface Mount", Number of Terminations=2, Packaging="Tape and Reel", Power Rating=100mW, Pricing 1="1=0.1, 10=0.053, 25=0.038, 50=0.029, 100=0.0214, 250=0.01632, 500=0.01306, 1000=0.00962 (USD)", Radiation Hardening=No, REACH SVHC="No SVHC", Stock 1=22586620, Supplier 1=Digi-Key, Termination=SMD/SMT, Width=0.031inch
R38A R38B R38C R38D: Case/Package=0603, Case Code (Metric)=1608, Manufacturer=Yageo, Manufacturer Part Number=RC0603FR-07115KL, Max Operating Temperature=155°C, Max Power Dissipation=100mW, Min Operating Temperature=-55°C, Package Quantity=1, Resistance=115k, Supplier Part Number 1=311-115KHRDKR-ND, Temperature Coefficient=100ppm/°C, Tolerance=1%, Voltage Rating=50V, Case Code (Imperial)=0603, ComponentLink1Description=https://datasheet.ciiva.com/28564/1694929-28564197.pdf, ComponentLink1URL=https://datasheet.ciiva.com/28564/1694929-28564197.pdf, ComponentLink2Description=https://datasheet.ciiva.com/7853/aoa0000ce2-7853702.pdf, ComponentLink2URL=https://datasheet.ciiva.com/7853/aoa0000ce2-7853702.pdf, ComponentLink3Description=https://datasheet.ciiva.com/16511/aoa0000ce2-16511879.pdf, ComponentLink3URL=https://datasheet.ciiva.com/16511/aoa0000ce2-16511879.pdf, ComponentLink4Description=https://datasheet.ciiva.com/9186/aoa0000ce2-9186297.pdf, ComponentLink4URL=https://datasheet.ciiva.com/9186/aoa0000ce2-9186297.pdf, ComponentLink5Description=https://datasheet.ciiva.com/30182/aoa0000ce2-30182633.pdf, ComponentLink5URL=https://datasheet.ciiva.com/30182/aoa0000ce2-30182633.pdf, ComponentLink6Description=https://datasheet.ciiva.com/9186/aoa0000ce2-9186298.pdf, ComponentLink6URL=https://datasheet.ciiva.com/9186/aoa0000ce2-9186298.pdf, ComponentLink7Description=https://datasheet.ciiva.com/16772/70260748-16772076.pdf, ComponentLink7URL=https://datasheet.ciiva.com/16772/70260748-16772076.pdf, ComponentLink8Description=https://datasheet.ciiva.com/16767/70260748-16767903.pdf, ComponentLink8URL=https://datasheet.ciiva.com/16767/70260748-16767903.pdf, ComponentLink9Description=https://datasheet.ciiva.com/2455/pyu-r-int-thick-7-2455088.pdf, ComponentLink9URL=https://datasheet.ciiva.com/2455/pyu-r-int-thick-7-2455088.pdf, ComponentLink10Description=https://datasheet.ciiva.com/8887/pyu-rc0603-51-rohs-l-4-8887692.pdf, ComponentLink10URL=https://datasheet.ciiva.com/8887/pyu-rc0603-51-rohs-l-4-8887692.pdf, ComponentLink11Description=https://datasheet.ciiva.com/28394/pyu-rc0603-51-rohs-l-4-28394989.pdf, ComponentLink11URL=https://datasheet.ciiva.com/28394/pyu-rc0603-51-rohs-l-4-28394989.pdf, ComponentLink12Description=https://datasheet.ciiva.com/2455/pyu-r-int-thick-7-2455086.pdf, ComponentLink12URL=https://datasheet.ciiva.com/2455/pyu-r-int-thick-7-2455086.pdf, ComponentLink13Description=https://datasheet.ciiva.com/2455/pyu-r-int-thick-7-2455087.pdf, ComponentLink13URL=https://datasheet.ciiva.com/2455/pyu-r-int-thick-7-2455087.pdf, Composition="Thick Film", Contact Plating=Tin,Matte, Depth=0.8mm, Features="Moisture Resistant", Height=0.022inch, Lead Free="Lead Free", Length=0.063inch, Military Standard=Not, Number of Terminations=2, Packaging="Tape and Reel", Power Rating=100mW, Pricing 1="1=0.1, 10=0.026, 100=0.0107, 1000=0.00478, 2500=0.00415 (USD)", Stock 1=39900, Supplier 1=Digi-Key, Termination=SMD/SMT, Voltage Rating (DC)=50V, Width=0.031inch
R39A R39B R39C R39D R43 R44 R45 R47 R48 R50 R51: Case/Package=0603, Case Code (Metric)=1608, Manufacturer=Panasonic, Manufacturer Part Number=ERJ-3EKF1002V, Max Operating Temperature=155°C, Max Power Dissipation=100mW, Min Operating Temperature=-55°C, Package Quantity=1, Resistance=10kR, Supplier Part Number 1=P10.0KHDKR-ND, Temperature Coefficient=100ppm/°C, Tolerance=1%, Voltage Rating=75V, Case Code (Imperial)=0603, ComponentLink1Description=https://datasheet.ciiva.com/16511/aoa0000ce2-16511861.pdf, ComponentLink1URL=https://datasheet.ciiva.com/16511/aoa0000ce2-16511861.pdf, ComponentLink2Description=https://datasheet.ciiva.com/46372/1678782-46372725.pdf, ComponentLink2URL=https://datasheet.ciiva.com/46372/1678782-46372725.pdf, ComponentLink3Description=https://datasheet.ciiva.com/28514/426256-28514198.pdf, ComponentLink3URL=https://datasheet.ciiva.com/28514/426256-28514198.pdf, ComponentLink4Description=https://datasheet.ciiva.com/9194/aoa0000ce2-9194199.pdf, ComponentLink4URL=https://datasheet.ciiva.com/9194/aoa0000ce2-9194199.pdf, ComponentLink5Description=https://datasheet.ciiva.com/7830/aoa0000ce2-7830729.pdf, ComponentLink5URL=https://datasheet.ciiva.com/7830/aoa0000ce2-7830729.pdf, ComponentLink6Description=https://datasheet.ciiva.com/17212/aoa0000ce2-17212105.pdf, ComponentLink6URL=https://datasheet.ciiva.com/17212/aoa0000ce2-17212105.pdf, ComponentLink7Description=https://datasheet.ciiva.com/30208/aoa0000ce2-30208985.pdf, ComponentLink7URL=https://datasheet.ciiva.com/30208/aoa0000ce2-30208985.pdf, ComponentLink8Description=https://datasheet.ciiva.com/48530/aoa0000ce2-48530988.pdf, ComponentLink8URL=https://datasheet.ciiva.com/48530/aoa0000ce2-48530988.pdf, ComponentLink9Description=https://datasheet.ciiva.com/24070/aoa0000ce2-24070318.pdf, ComponentLink9URL=https://datasheet.ciiva.com/24070/aoa0000ce2-24070318.pdf, ComponentLink10Description=https://datasheet.ciiva.com/16759/70260748-16759807.pdf, ComponentLink10URL=https://datasheet.ciiva.com/16759/70260748-16759807.pdf, Composition="Thick Film", Contact Plating=Tin, Depth=0.8mm, Features="Automotive AEC-Q200", Height=0.45mm, Lead Free="Lead Free", Length=1.6mm, Military Standard=Not, Mount="Surface Mount", Number of Pins=2, Number of Terminations=2, Packaging="Tape and Reel", Power Rating=100mW, Pricing 1="1=0.1, 10=0.079, 100=0.0323, 1000=0.01449, 2500=0.01258 (USD)", Radiation Hardening=No, REACH SVHC="No SVHC", Stock 1=6493854, Supplier 1=Digi-Key, Termination=SMD/SMT, Voltage Rating (DC)=75V, Width=0.031inch